# Altium PCB 四层板(完成).PcbDoc (part 1 of 3)
Units mil, origin at the board's own origin, x right, y up, seen from the top; angles counter-clockwise.
Board outline 3790.28 x 1642.89 mil, 4 copper layers (Top Layer, GND, PWR, Bottom Layer), stack 13.98 mil thick; 140 components, 140 nets, 625 pads, 276 vias.
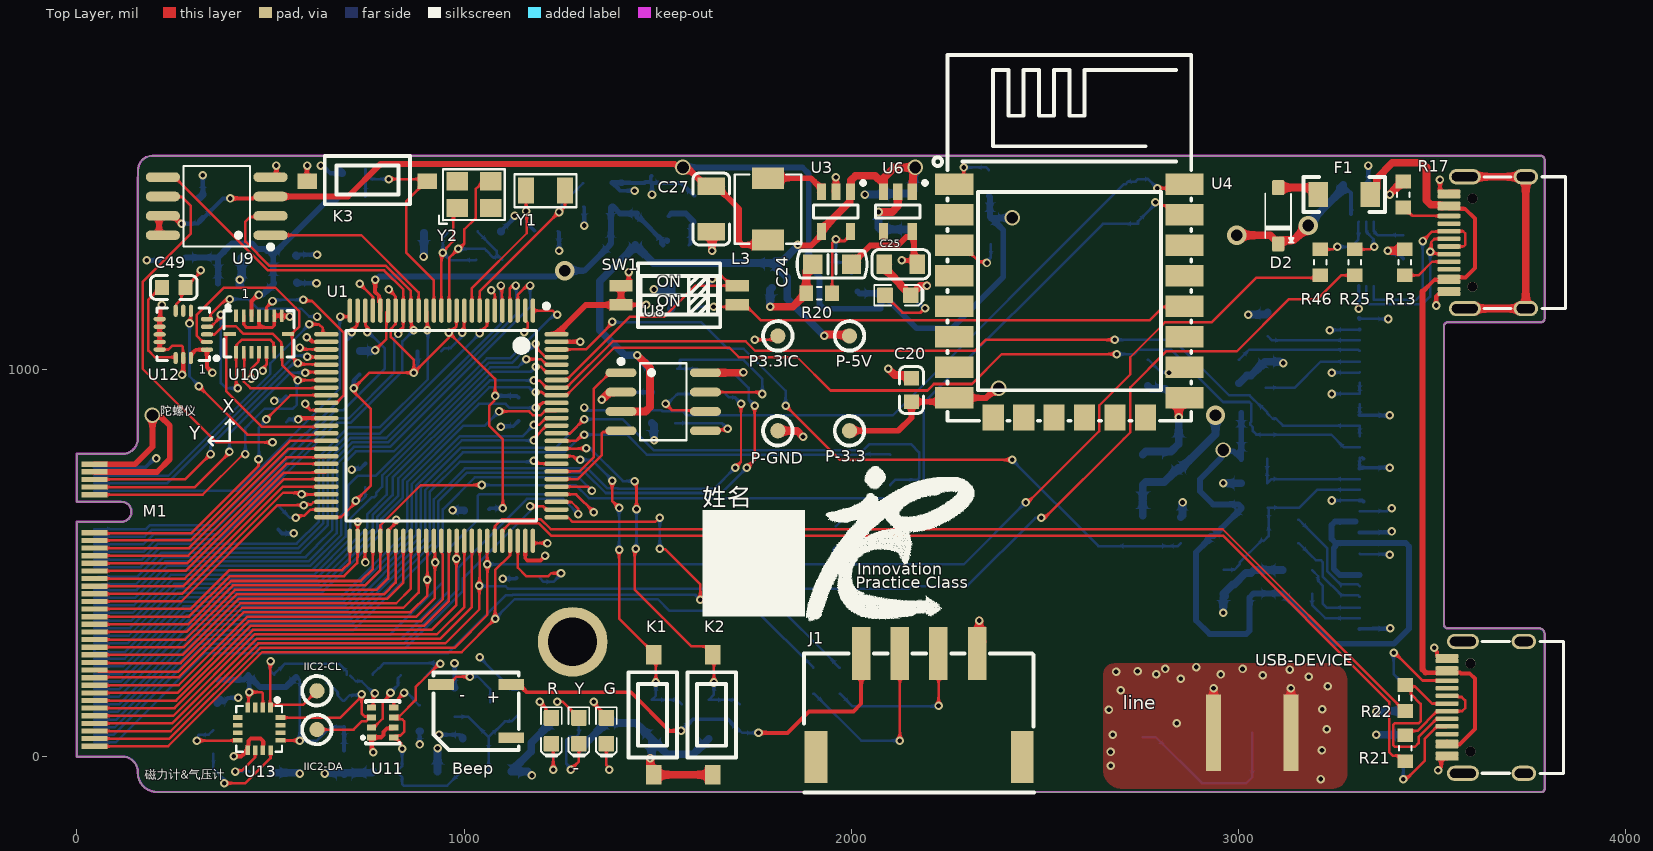
[diagram p0: Top Layer view]
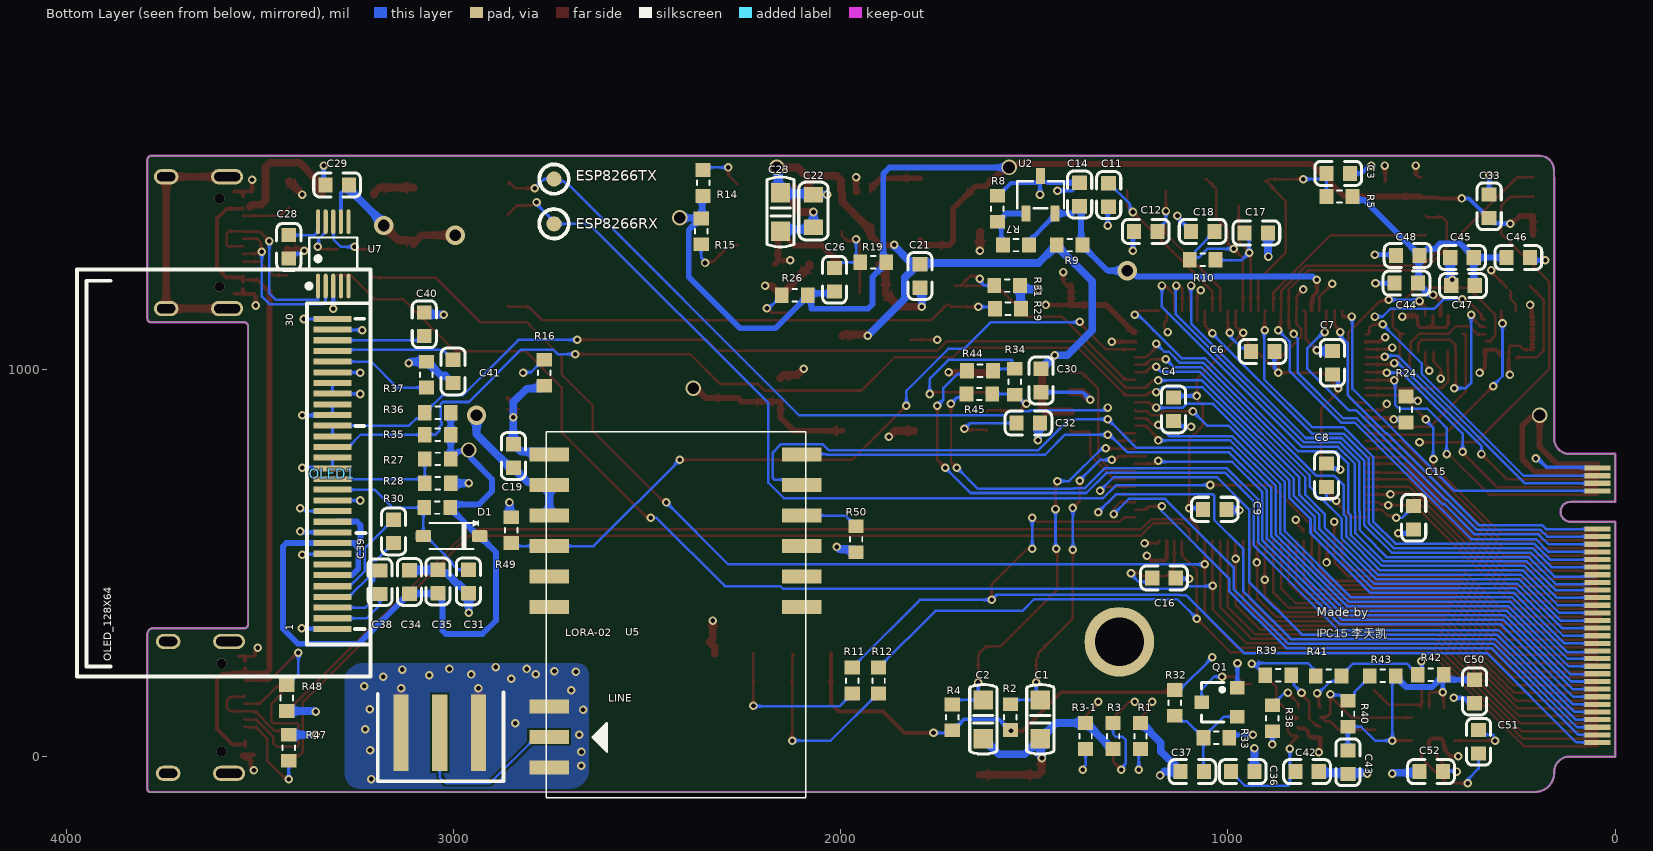
[diagram p1: Bottom Layer view, seen from below]
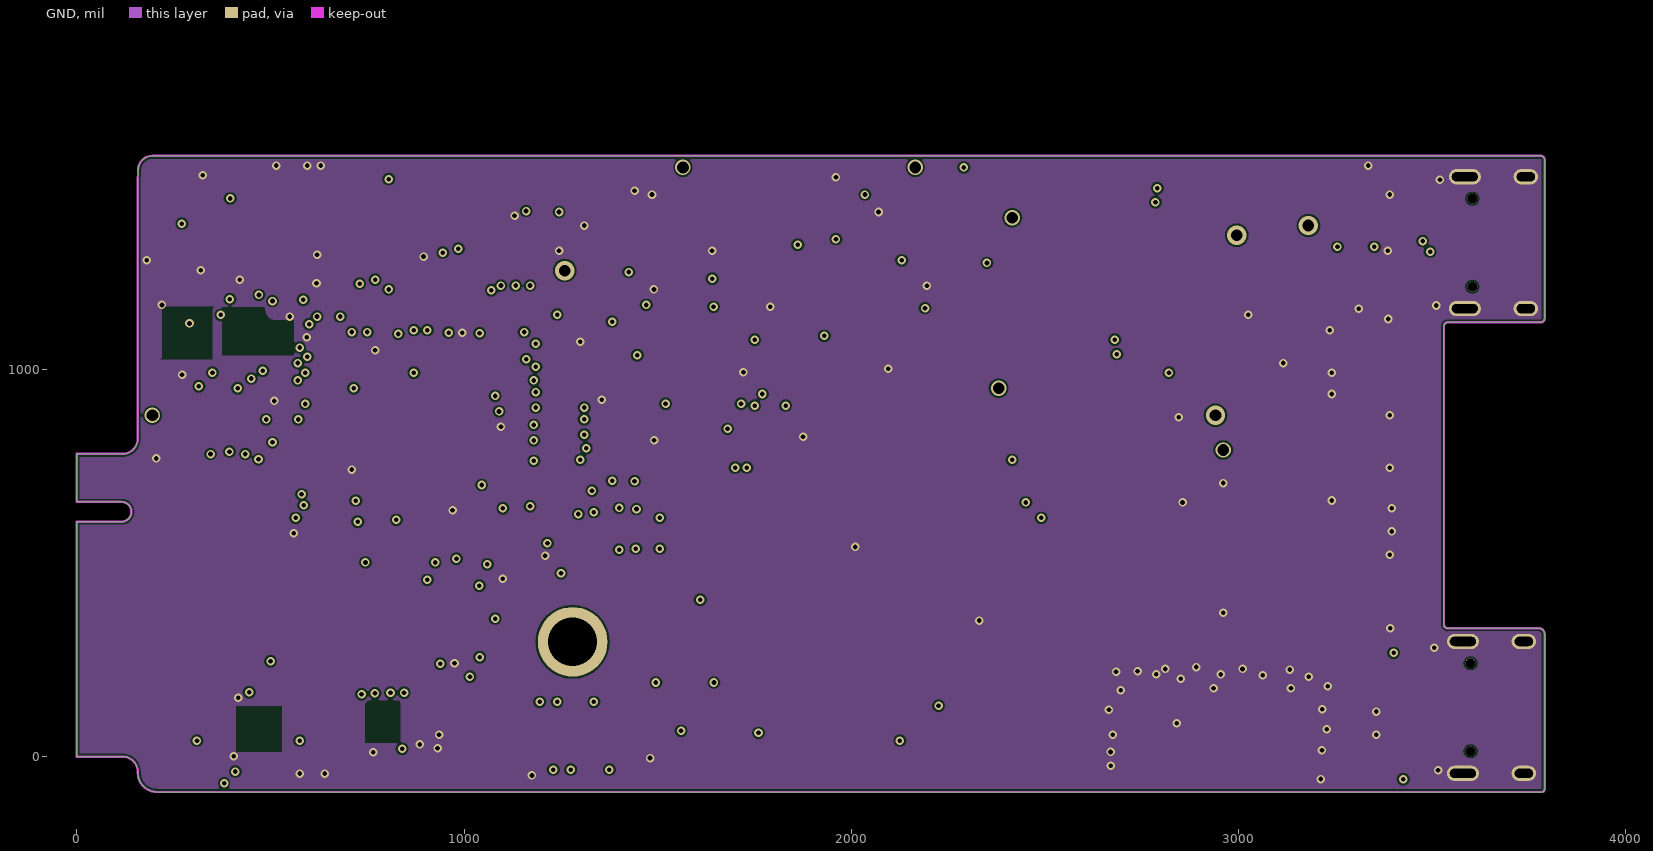
[diagram p2: GND]
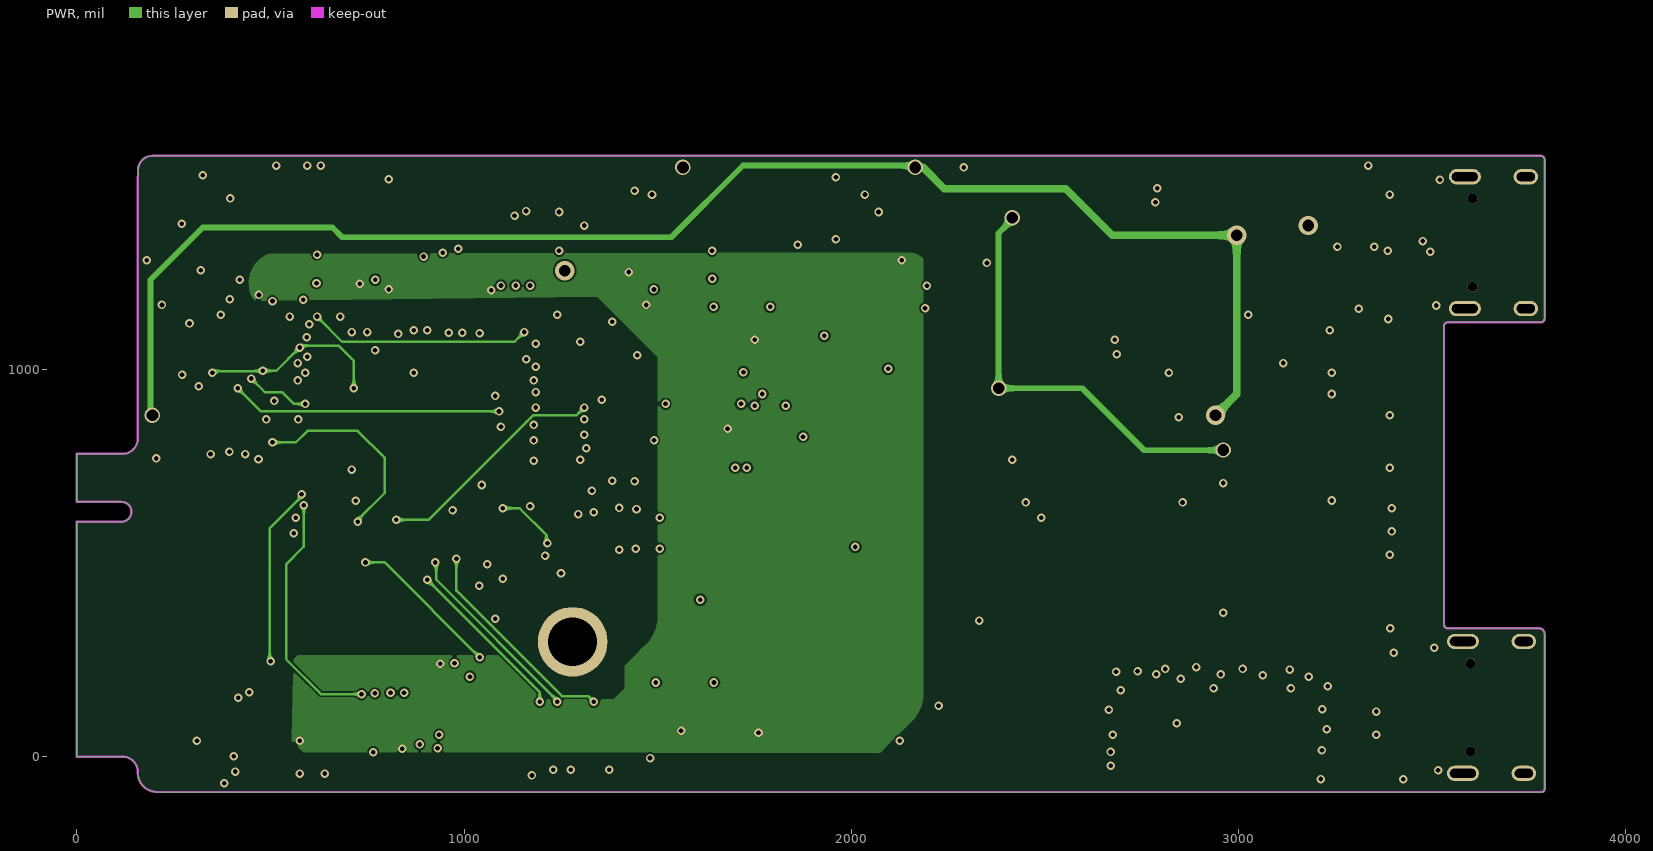
[diagram p3: PWR]
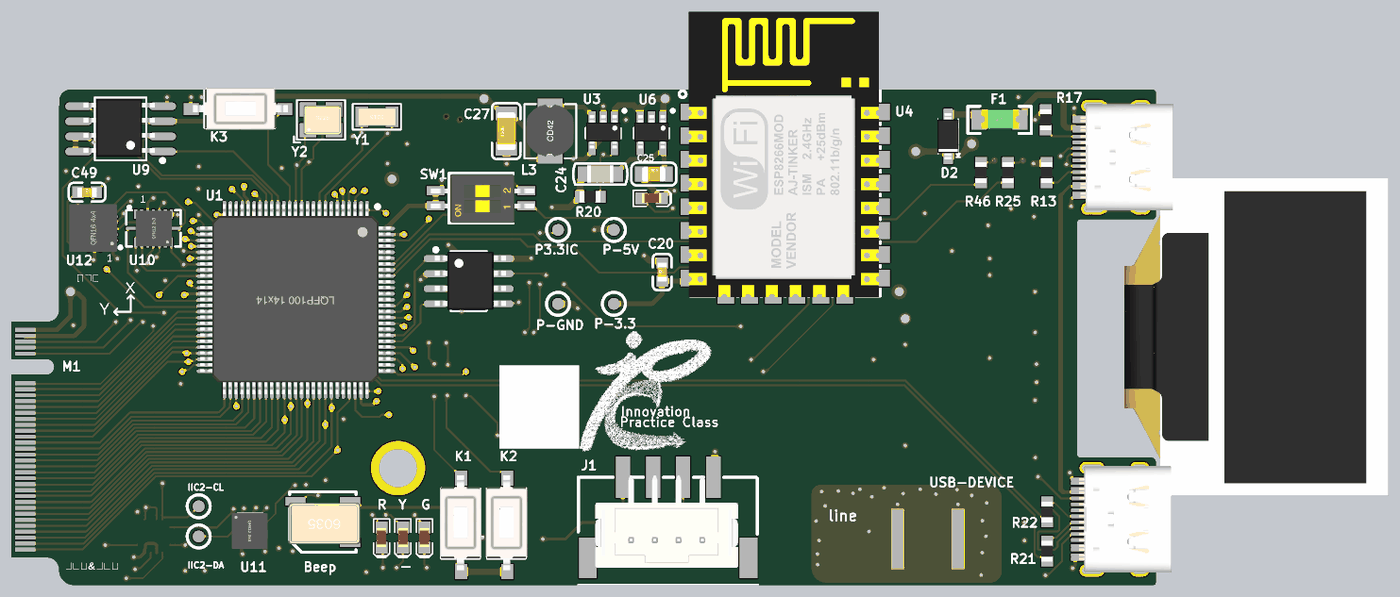
[diagram p6: 3D render of the assembled board from above, using the file's embedded part models]
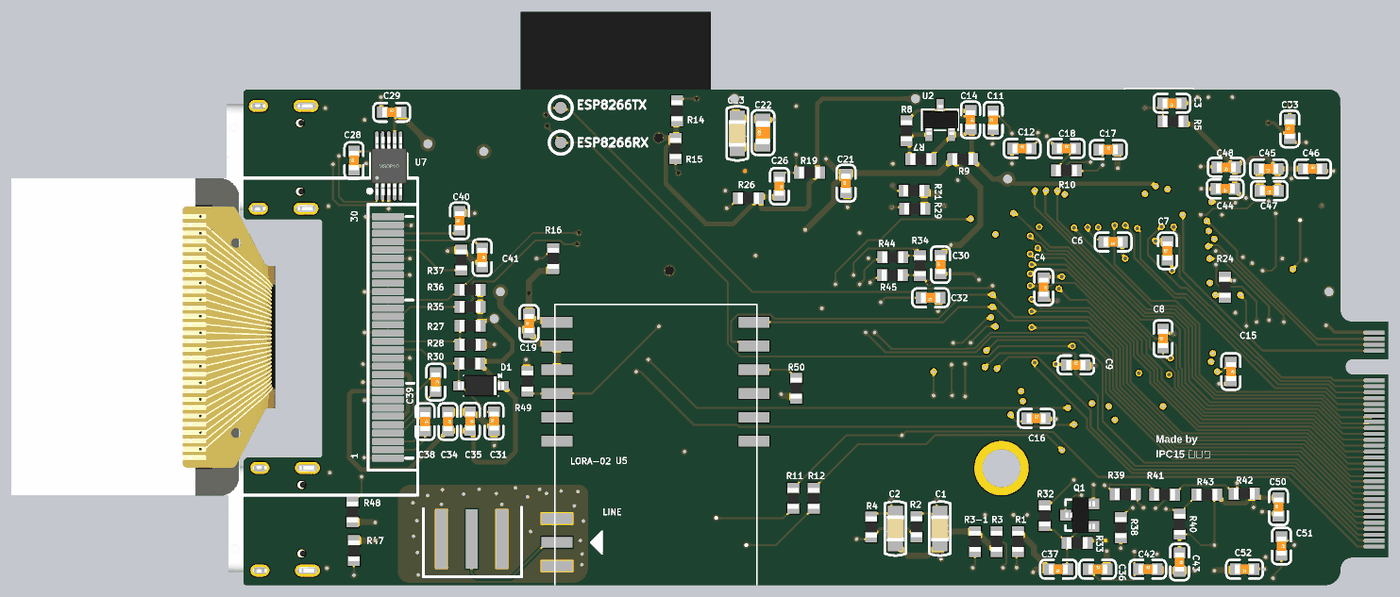
[diagram p7: 3D render of the assembled board from below, using the file's embedded part models]

## Layer stack, top to bottom
Top Solder: solder mask 0.394, Solder Resist, Dk 3.8
Top Layer: signal copper 1.417
Dielectric 1: prepreg 2.795, PP-006, Dk 4.1
GND: signal copper 1.378
Dielectric 2: prepreg 2.8, PP-006, Dk 4.1
PWR: signal copper 1.378
Dielectric 3: prepreg 2.795, PP-006, Dk 4.1
Bottom Layer: signal copper 1.417
Bottom Solder: solder mask 0.394, Solder Resist, Dk 3.8

## Board outline
0,0 0,606.69 114.17,606.69 ccw(c115.4,632.28) 114.17,657.87 0,657.87 0,781.88 118.11,781.88 ccw(c118.11,821.25) 157.48,821.25 157.48,821.44 157.48,1496.44 158.1,1498.6 158.1,1514.26 cw(c195.28,1514.26) 195.28,1551.44 3780.28,1551.44 cw(c3780.28,1541.44) 3790.28,1541.44 3790.28,1131.44 cw(c3780.28,1131.44) 3780.28,1121.44 3540.28,1121.44 ccw(c3540.28,1111.44) 3530.28,1111.44 3530.28,341.44 ccw(c3540.28,341.44) 3540.28,331.44 3775.28,331.44 cw(c3775.28,316.44) 3790.28,316.44 3790.28,-83.56 cw(c3782.39,-83.56) 3782.39,-91.45 207.48,-91.45 cw(c207.48,-41.45) 157.48,-41.45 157.48,-39.37 ccw(c118.11,-39.37) 118.11,0

## Design rules (kind name [scope] priority, off if disabled: settings)
Clearance Clearance_1 [InNetClass('5v电源及地')] p1: gap=5 ignorepadtopadclearanceinfootprint=FALSE
Clearance [InNetClass('3.3v电源') vs InNetClass('5v电源及地')] p2: gap=5 ignorepadtopadclearanceinfootprint=FALSE
Clearance ELSE [All] p3: gap=5 ignorepadtopadclearanceinfootprint=FALSE
ComponentClearance [All] p1: gap=0 collisioncheckmode=3 verticalgap=0 showdistances=FALSE
HoleSize [All] p1: absolutevalues=TRUE maxlimit=137.8 minlimit=10 maxpercent=80.000 minpercent=20.000
MinimumSolderMaskSliver [All] p1: minsoldermaskwidth=0.39
PlaneClearance [All] p1: clearance=8
PlaneConnect [All] p1: pad.planeconnectstyle=Relief pad.reliefexpansion=20 pad.reliefentries=4 pad.reliefconductorwidth=10 pad.reliefairgap=10 via.planeconnectstyle=Direct via.reliefexpansion=20 via.reliefentries=4 via.reliefconductorwidth=10 via.reliefairgap=10
PolygonConnect POWER2 [InNetClass('5v电源及地')] p1: connectstyle=Direct reliefconductorwidth=10 reliefentries=4 polygonreliefangle="90 Angle" airgapwidth=10
PolygonConnect POWER [InNetClass('3.3v电源')] p2: connectstyle=Direct reliefconductorwidth=10 reliefentries=4 polygonreliefangle="90 Angle" airgapwidth=10
PolygonConnect SINGLE [InNetClass('数据信号线')] p3: thpad.connectstyle=Relief thpad.reliefconductorwidth=10 thpad.reliefentries=4 thpad.polygonreliefangle="90 Angle" thpad.airgapwidth=10 smdpad.connectstyle=Relief smdpad.reliefconductorwidth=10 smdpad.reliefentries=4 smdpad.polygonreliefangle="90 Angle" smdpad.airgapwidth=10 via.connectstyle=Direct via.reliefconductorwidth=10 via.reliefentries=4 via.polygonreliefangle="90 Angle" via.airgapwidth=10
PolygonConnect SINGLE2 [InNetClass('时钟信号线，天线')] p4: thpad.connectstyle=Relief thpad.reliefconductorwidth=10 thpad.reliefentries=4 thpad.polygonreliefangle="90 Angle" thpad.airgapwidth=10 smdpad.connectstyle=Relief smdpad.reliefconductorwidth=10 smdpad.reliefentries=4 smdpad.polygonreliefangle="90 Angle" smdpad.airgapwidth=10 via.connectstyle=Direct via.reliefconductorwidth=10 via.reliefentries=4 via.polygonreliefangle="90 Angle" via.airgapwidth=10
PolygonConnect [All] p5 off: thpad.connectstyle=Relief thpad.reliefconductorwidth=10 thpad.reliefentries=4 thpad.polygonreliefangle="90 Angle" thpad.airgapwidth=10 smdpad.connectstyle=Relief smdpad.reliefconductorwidth=10 smdpad.reliefentries=4 smdpad.polygonreliefangle="90 Angle" smdpad.airgapwidth=10 via.connectstyle=Direct via.reliefconductorwidth=10 via.reliefentries=4 via.polygonreliefangle="90 Angle" via.airgapwidth=10
RoutingVias [All] p1: holewidth=12 width=22 viastyle="Through Hole" minholewidth=12 minwidth=22 maxholewidth=50 maxwidth=50
SilkToSilkClearance [All] p1: silktosilkclearance=0
SilkToSolderMaskClearance [IsPad] p1: minsilkscreentomaskgap=0 clearancetoexposedcopper=TRUE
SolderMaskExpansion [All] p1: expansion=4 istentingtop=FALSE
UnRoutedNet [All] p1: checkbadconnections=TRUE
Width [All] p1: maxlimit=30 minlimit=6 preferedwidth=6.5
22 further rules are at their usual default settings.

## Classes and differential pairs
net class 时钟信号线，天线: NetC11_2 NetC12_2 NetC17_1 NetC18_2 NetLINE_1
net class 3.3v电源: VCC_3V3_DC-DC VREF
net class 5v电源及地: GND VBUS VCC_5 VCC_5BUS
net class 数据信号线: ADC1_IN BEEP_TIM12_CH1 BOOT0 BOOT1 CAN1_TX CH340_RX_USART1 CH340_TX_USART1 D+ D- DAC_OUT ESP8266_RX_USART3 ESP8266_TX_USART3 FLASH_SPI2_CS FLASH_SPI2_MISO FLASH_SPI2_MOSI FLASH_SPI2_SCK GPIO0_ESP12F IN__ICM20602_CS IN_BMI088_CSB1_ACC IN_BMI088_CSB2_GYRO IN_BMI088_INT1_EXIT7_ACC IN_BMI088_INT2_EXIT1_GYRO IN_ICM20602_INT_EXIT8 IN_KEY1_EXIT3 IN_KEY2_EXIT4 IN_LORA_MD0 LB_ENCODE1_TIM3_CH1 LB_ENCODE2_TIM3_CH2 LB_WHELL_SPEED_TIM1_CH2 LF_ENCODE1_TIM2_CH1 LF_ENCODE2_TIM2_CH2 LF_WHELL_SPEED_TIM1_CH1 LORA_RX_USART2 LORA_TX_USART2 Net1_A5 Net1_B5 Net2_A5 Net2_B5 NetBEEP1_2 NetC15_1 NetC16_1 NetC26_1 NetC28_2 NetC31_2 NetC37_1 NetC38_1 NetC38_2 NetC39_1 NetC39_2 NetC40_1 NetC41_1 NetC49_1 NetC51_1 NetC51_2 NetC52_1 NetJ1_2 NetJ1_3 NetL1_2 NetL2_2 NetL3_1 NetLED1_1 NetOLED1_15 NetOLED1_26 NetR7_2 NetR14_2 NetR15_2 NetR16_2 NetR25_2 NetR34_1 NetR34_2 NetR38_2 NetR39_2 NetR46_2 NRST OLED_I2C1_SCL OLED_I2C1_SDA OTGD+_P OTGD-_N PA3 PA6 PB5 PB8 PB9 PB12 PB15 PC0 PC8 PC10 PC11 PC12 PD2 PD7 PD14 PD15 PE0 PE5 PE6 PE10 PE12 PE15 RB_ENCODE1_TIM5_CH1 RB_ENCODE2_TIM5_CH2 RB_WHELL_SPEED_TIM1_CH4 RF_ENCODE1_TIM4_CH1 RF_ENCODE2_TIM4_CH2 RF_WHELL_SPEED_TIM1_CH3 SENSOR_SPI1_MISO SENSOR_SPI1_MOSI SENSOR_SPI1_SCK SWCLK SWDIO USB_OTG_FS_DM USB_OTG_FS_DP VCC_5BUS
component class 传感器,通信模块电路: C42 C43 C44 C45 C46 C47 C48 C49 C50 C51 C52 IIC2-CL IIC2-DA R38 R39 R40 R41 R42 R43 U10 U11 U12 U13
component class 主控及低压电源: Beep C1 C2 C3 C4 C6 C7 C8 C9 C11 C12 C14 C15 C16 C17 C18 C19 C20 C21 C22 C23 C24 C25 C26 C27 C28 C29 C30 C31 C32 C33 C34 C35 C36 C37 C38 C39 C40 C41 D1 D2 ESP8266RX ESP8266TX G J1 K1 K2 K3 LINE M1 OLED1 P3.3IC P-3.3 P-5V P-GND Q1 R R1 R2 R3 R3-1 R4 R5 R7 R8 R9 R10 R11 R12 R13 R14 R15 R16 R17 R19 R20 R21 R22 R24 R25 R26 R27 R28 R29 R30 R31 R32 R33 R34 R35 R36 R37 R44 R45 R46 R47 R48 R49 R50 SW1 U1 U2 U3 U4 U5 U6 U7 U8 U9 USB-DEVICE Y Y1 Y2

## Components (designator, comment, footprint, x,y, rotation, side; value= is the part's Value field where it differs from the comment)
1 "TYPE-C 16PIN" "TYPE-C 16PIN" 3710.28,1321.44 r0 top
Beep "MLT-5020" BUZ-SMD_L5.0-W5.5-P4.60 1031.23,117.55 r180 top value=4000Hz (schematic designator BEEP1)
C1 "0.1uF" 0805_C 1484.48,96.44 r90 bottom
C2 "0.1uF" 0805_C 1631.78,96.44 r90 bottom
C3 "100nF" 0603_C 715.16,1506.22 r0 bottom value=20pF
C4 "0.1uF" 0603_C 1140.28,896.76 r270 bottom
C6 "0.1uF" 0603_C 910.28,1046.44 r0 bottom
C7 "0.1uF" 0603_C 730.42,1017.11 r90 bottom
C8 "0.1uF" 0603_C 745.28,726.44 r90 bottom
C9 "0.1uF" 0603_C 1033.91,638.69 r180 bottom
C11 "15pF" 0603_C 1307.89,1450.4 r90 bottom value=20pF
C12 "15pF" 0603_C 1212.07,1356.44 r180 bottom value=20pF
C14 "0.1uF" 0603_C 1382.8,1451.44 r270 bottom
C15 "2.2uF" 0603_C 520.28,616.76 r270 bottom value=20pF
C16 "2.2uF" 0603_C 1165.28,461.44 r180 bottom value=20pF
C17 "22pF" 0603_C 926.62,1352.54 r180 bottom value=20pF
C18 "22pF" 0603_C 1065.28,1356.44 r180 bottom value=20pF
C19 "0.1uF" 0603_C 2845.28,776.44 r90 bottom
C20 "0.1uF" 0603_C 2155.28,946.75 r90 top
C21 "22uF" 0603_C 1795.28,1241.13 r90 bottom value=20pF
C22 "100nF" 0805C 2070.28,1366.44 r90 bottom value=20pF
C23 "1uF" 0805_C 2155.28,1406.44 r90 bottom value=20pF
C24 "1uF" 0805_C 1950.28,1271.44 r0 top value=20pF
C25 "100nF" 0805C 2085.28,1271.44 r0 top value=20pF
C26 "22pF" 0603_C 2016.03,1231.44 r270 bottom value=20pF
C27 "22uF" 1206_C 1638.67,1414.16 r90 top value=20pF
C28 "0.1uF" 0603_C 3425.28,1316.44 r90 bottom
C29 "0.1uF" 0603_C 3300.28,1476.44 r180 bottom
C30 "100nF" 0603_C 1482.24,971.28 r90 bottom
C31 "4.7uF" 0603_C 2961.36,452.38 r90 bottom value=20pF
C32 "100nF" 0603_C 1515.28,861.44 r0 bottom
C33 "0.1uF" 0603_C 325.28,1421.12 r90 bottom
C34 "1uF" 0603_C 3113.79,451.16 r270 bottom value=20pF
C35 "1uF" 0603_C 3040.23,452.38 r270 bottom value=20pF
C36 "0.1uF" 0603_C 961.78,-38.56 r180 bottom value=20pF
C37 "0.1uF" 0603_C 1091.78,-38.56 r0 bottom value=20pF
C38 "1uF" 0603_C 3189.68,450.5 r270 bottom value=20pF
C39 "1uF" 0603_C 3154.4,581.63 r270 bottom value=20pF
C40 "2.2uF" 0603_C 3075.28,1116.44 r90 bottom value=20pF
C41 "4.7uF" 0603_C 3000.7,994.78 r270 bottom value=20pF
C42 "0.1uF" 0603_C 795.6,-38.56 r180 bottom
C43 "1uF" 0603_C 690.28,-14.62 r270 bottom
C44 "100nF" 0603_C 539.14,1222.78 r0 bottom
C45 "100nF" 0603_C 395.73,1288.91 r0 bottom
C46 "10nF" 0603_C 250.03,1288.91 r180 bottom
C47 "100nF" 0603_C 392.92,1216.44 r0 bottom
C48 "2.2uF" 0603_C 535.96,1294.06 r0 bottom
C49 "100nF" 0603_C 250.28,1211.44 r0 top
C50 "100nF" 0603_C 362.85,168.26 r90 bottom
C51 "220nF" 0603_C 352.66,38.33 r270 bottom
C52 "4.7uF" 0603_C 475.28,-38.56 r0 bottom
D1 "1N4148" SOD123 3004.79,569.53 r180 bottom
D2 "B5819W" SOD123 3102.37,1396.59 r270 top
ESP8266RX "MARK-POINT" MARK-POINT 2740.28,1375.92 r0 bottom
ESP8266TX "MARK-POINT" MARK-POINT 2740.28,1491.44 r0 bottom
F1 "Fuse 1" FUSE_1206 3280.28,1451.44 r180 top value=1A